# Altium PCB EA08AI测试板.PcbDoc (part 2 of 2)
Units mm, origin at the board's own origin, x right, y up, seen from the top; angles counter-clockwise.
Board outline 148 x 105.5 mm, 2 copper layers (Top Layer, Bottom Layer), stack 1.261 mm thick; 278 components, 217 nets, 924 pads, 454 vias.
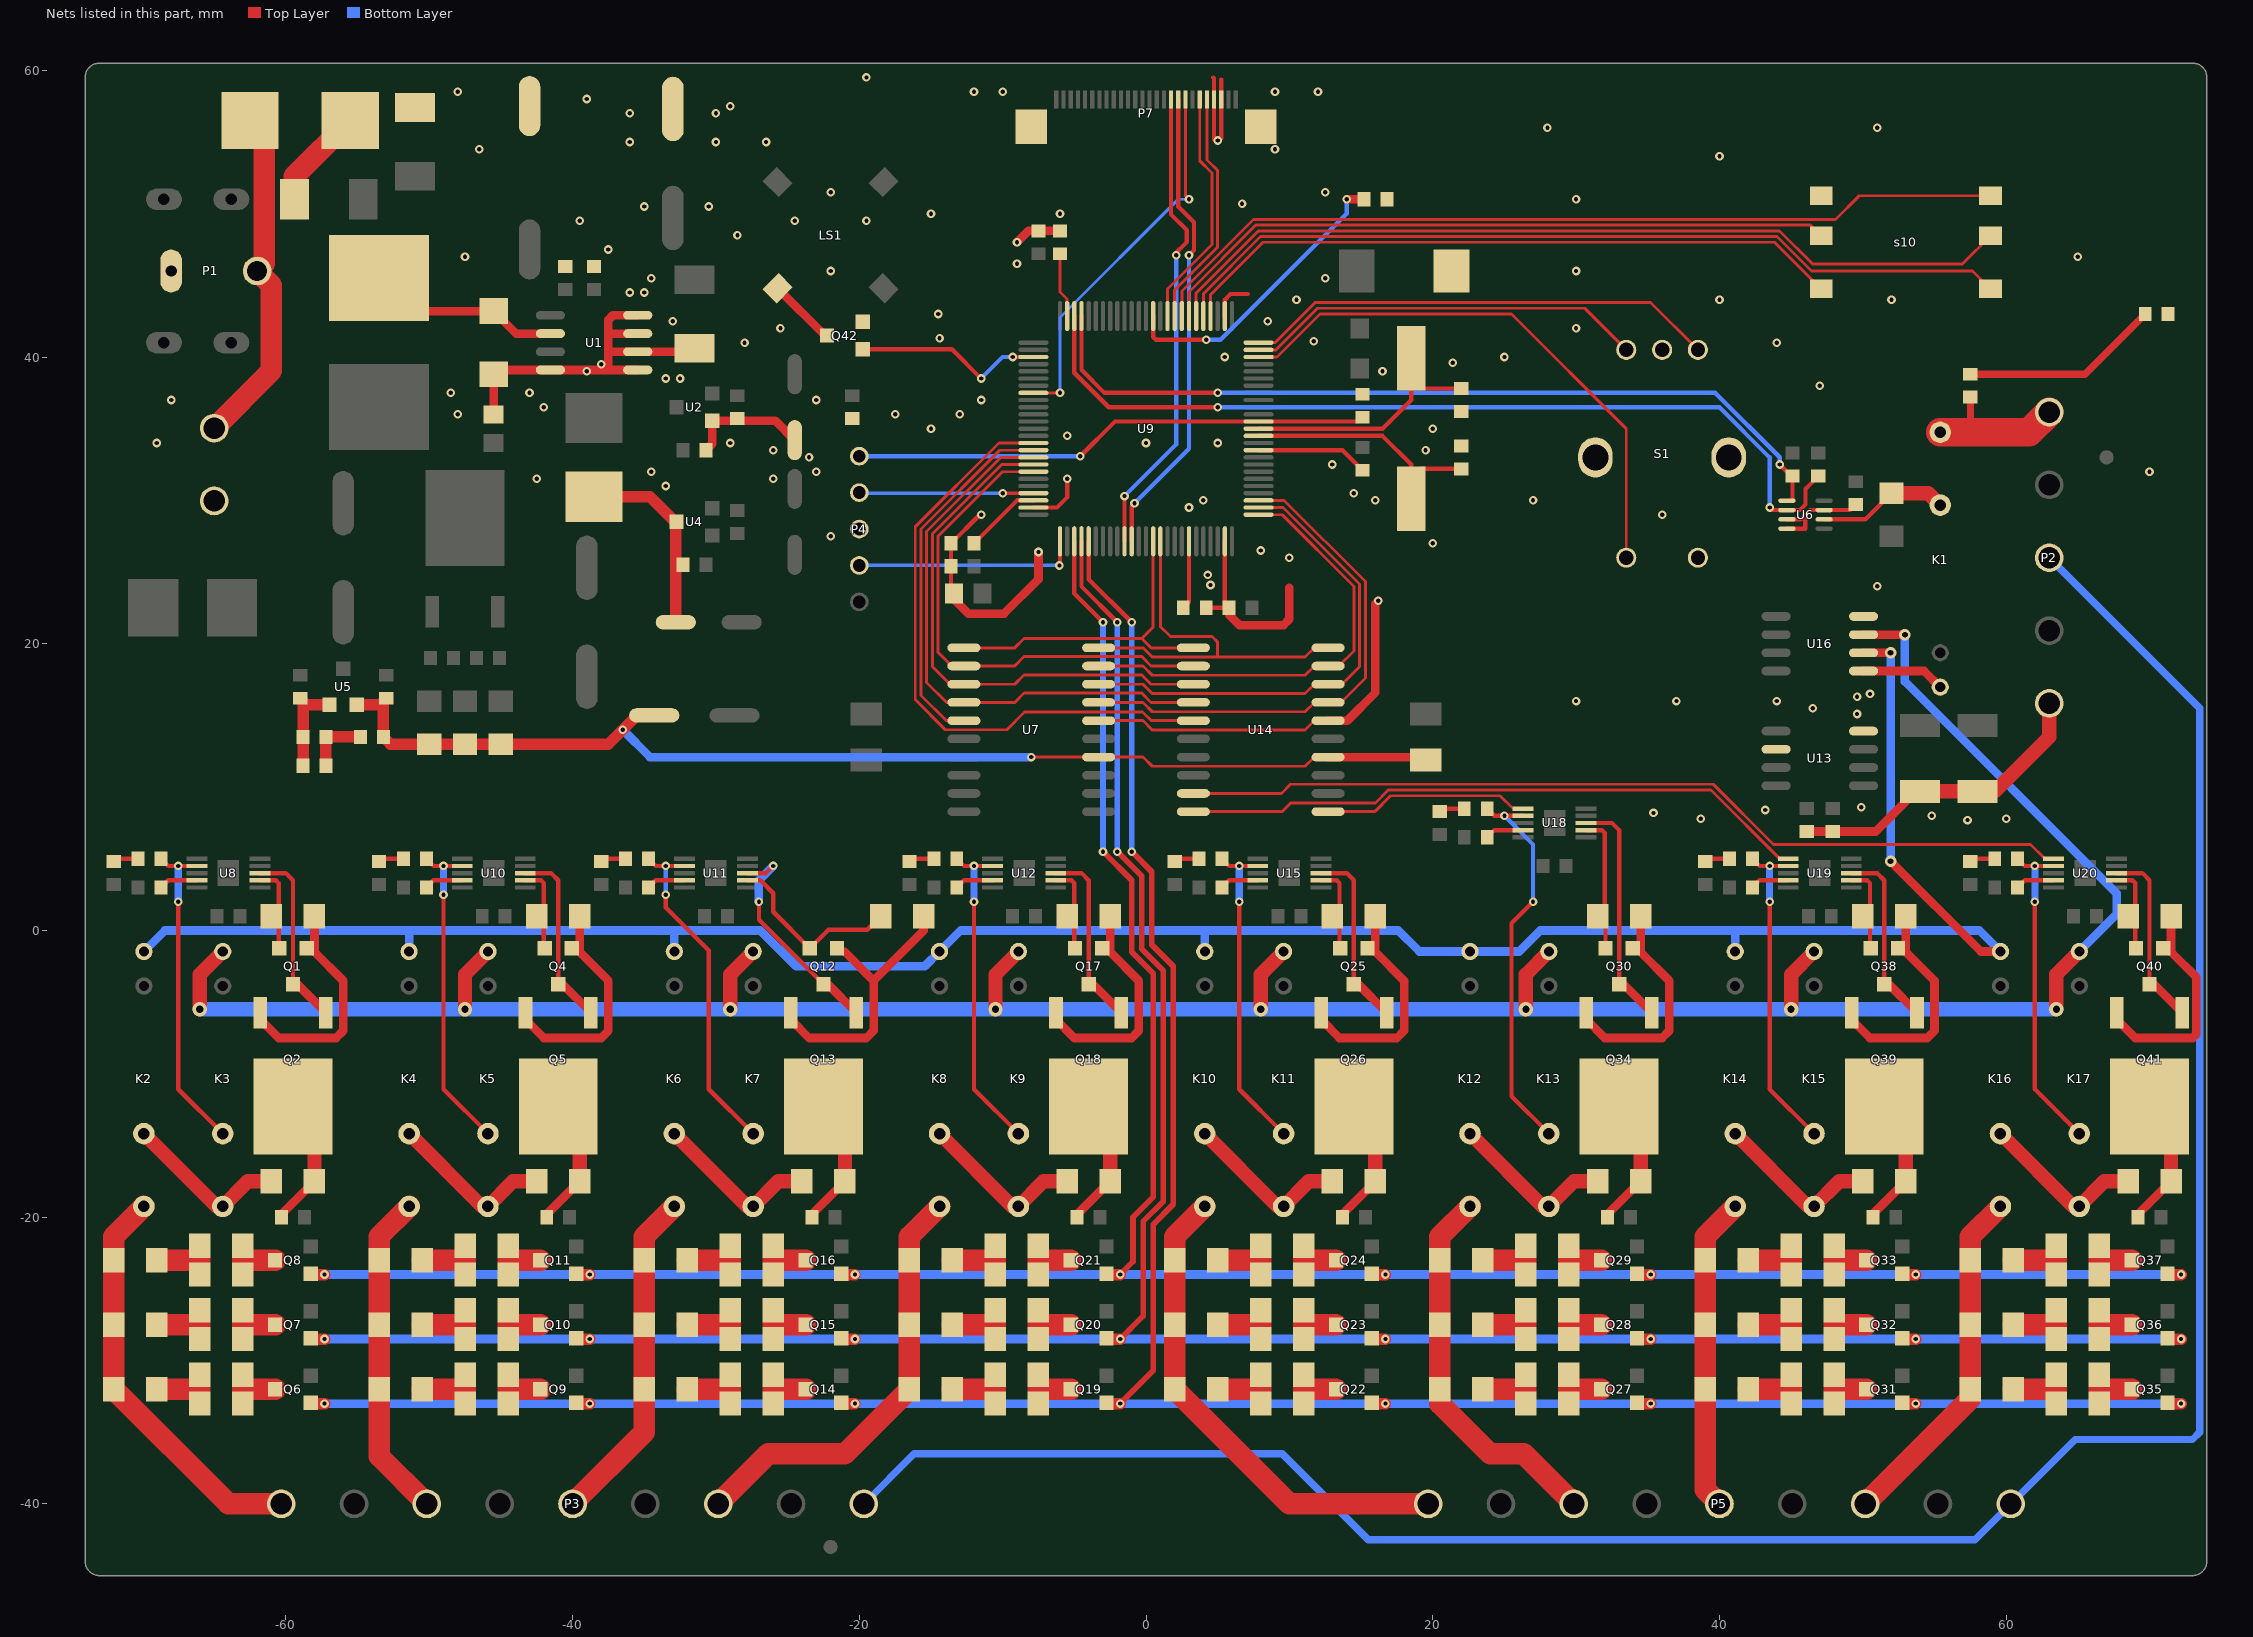
[diagram p2: the nets of this part, all layers, seen from the top]

## Via types
v1: diameter 0.6, hole 0.3, Top Layer to Bottom Layer, tented both sides, 438 vias
v2: diameter 1, hole 0.5, Top Layer to Bottom Layer, tented both sides, 9 vias
v3: diameter 0.8, hole 0.4, Top Layer to Bottom Layer, tented both sides, 7 vias

## Nets (pads, with @x,y where several pads share a name; then routed paths per layer and width w, separated by ;. In a path a pad name is that pad's centre, name@x,y a point inside that pad or via, vN(x,y) a via of type N, cw(c..) or ccw(c..) an arc to the next point about the centre after c; other vN are vias at no path point) (continued)
DA6: U14.1 U18.6 | length 14.4
  Top Layer w0.2: U14.1@12.7,8.285 15.951,8.285 17.066,9.4 24.7,9.4 25.6,8.5 U18.6@26.3,8.5
DA7: U14.20 U19.6 | length 44.1
  Top Layer w0.2: U14.20@3.3,8.285 9.485,8.285 10.1,8.9 16,8.9 16.9,9.8 39.4,9.8 44.2,5 U19.6@44.8,5
DA8: U14.19 U20.6 | length 62.4
  Top Layer w0.2: U14.19@3.3,9.555 9.441,9.555 10.086,10.2 39.566,10.2 43.766,6 61.7,6 62.7,5 U20.6@63.3,5
DB0: U7.14 U9.67 U14.14 | length 39.8
  Top Layer w0.2: U9.67@-7.854,33 -10.131,33 -15.3,27.831 -15.3,17.303 -13.902,15.905 U7.14@-12.7,15.905 -9.155,15.905 -8.5,16.56 -0.3,16.56 0.355,15.905 U14.14@3.3,15.905
DB1: U7.13 U9.68 U14.13 | length 37.6
  Top Layer w0.2: U9.68@-7.854,32.5 -10.066,32.5 -14.9,27.666 -14.9,18.4 -13.675,17.175 U7.13@-12.7,17.175 -9.155,17.175 -8.5,17.83 -0.3,17.83 0.355,17.175 U14.13@3.3,17.175
DB2: U7.12 U9.69 U14.12 | length 35.3
  Top Layer w0.2: U9.69@-7.854,32 -10,32 -14.5,27.5 -14.5,19.4 -13.545,18.445 U7.12@-12.7,18.445 -9.155,18.445 -8.5,19.1 -0.3,19.1 0.355,18.445 U14.12@3.3,18.445
DB3: U7.11 U9.89 U14.11 | length 24.6
  Top Layer w0.2: U7.11@-13.615,19.715 U7.11@-12.7,19.715 -9.155,19.715 -8.5,20.37 -0.3,20.37 ; U9.89@0.5,27.146 0.5,21.17 -0.3,20.37 ; U14.11@3.3,19.715 0.355,19.715 -0.3,20.37
DB4: U7.10 U9.90 U14.10 | length 28
  Top Layer w0.2: U7.10@-3.3,19.715 -0.211,19.715 0.434,19.07 5,19.07 ; U9.90@1,27.146 1,21.2 1.7,20.5 4.6,20.5 5,20.1 5,19.07 ; U14.10@12.7,19.715 11.745,19.715 11.1,19.07 5,19.07
DB5: U7.9 U9.1 U14.9 | length 32
  Top Layer w0.2: U7.9@-3.3,18.445 -0.211,18.445 0.434,17.8 11.1,17.8 11.745,18.445 U14.9@12.7,18.445 13.445,18.445 14.5,19.5 14.5,24 9.5,29 U9.1@7.854,29
DB6: U7.8 U9.2 U14.8 | length 34.3
  Top Layer w0.2: U7.8@-3.3,17.175 -0.211,17.175 0.434,16.53 11.1,16.53 11.745,17.175 U14.8@12.7,17.175 13.675,17.175 14.9,18.4 14.9,24.166 9.566,29.5 U9.2@7.854,29.5
DB7: U7.7 U9.3 U14.7 | length 36.4
  Top Layer w0.2: U7.7@-3.3,15.905 -0.211,15.905 0.434,15.26 11.1,15.26 11.745,15.905 U14.7@12.7,15.905 13.605,15.905 15.3,17.6 15.3,24.331 9.631,30 U9.3@7.854,30
GND: C1.1 C2.2 C3.1 C4.2 C5.1 C6.2 C7.2 C8.1 C9.1 C10.1 C11.1 C17.1 C18.1 C23.1 C24.1 C26.1 C27.1 C29.1 C45.1 C46.1 C47.1 C48.1 C49.1 D2.1 D3.1 D5.2 D6.1 D7.1 D8.1 P1.2 P2.1 P4.3 P6.2 P7.3 P7.4 P7.27 P7.28 Q42.2 R31.2 R33.2 S1.1 S1.5 S1.6 s10.1 U1.4 U1.5 U1.6 U1.7 U1.8 U2.1 U6.3 U6.7 U6.8 U7.6 U9.10 U9.27 U9.74 U9.99 U13.2 U13.8 U14.6 U16.4 | length 148.3
  Top Layer w0.2: U7.6@-3.3,14.635 -0.211,14.635 0.434,13.99 11.1,13.99 11.745,14.635 U14.6@12.7,14.635
  Top Layer w0.3: C17.1@-13.4,23.5 -13.6,23.7 C48.1@-13.6,25.4 C24.1@-13.6,27 -11.6,29 v1(-11.5,29) ; U9.74@-7.854,29.5 -6.207,29.5 -5.5,30.207 v1(-5.5,31.5) ; R31.2@4.2,22.5 C45.1@5.8,22.5 5.5,22.8 U9.99@5.5,27.146 ; 4.7,59.5 4.75,59.45 P7.4@4.75,57.95 4.75,55.15 5.15,55.15 5.25,55.25 P7.3@5.25,57.95 5.25,59.35 ; U9.27@5.5,42.854 5.5,44 5.9,44.4 7.1,44.4 ; U9.10@7.854,33.5 13.7,33.5 C49.1@15.1,32.1 ; U6.8@44.7,28.025 45.975,28.025 45.975,28.925 45.95,28.95 ; U6.7@44.7,28.675 45.675,28.675 45.95,28.95 ; C47.1@49.5,29.7 49.125,29.325 U6.3@47.3,29.325 46.325,29.325 45.95,28.95
  Top Layer w0.6: C18.1@-45.5,36 D8.1@-45.5,38.8 -45.205,39.095 U1.4@-41.548,39.095 -37.5,39.095 ; -37.435,41.635 U1.7@-35.452,41.635 ; -37.165,40.365 U1.6@-35.452,40.365 -31.735,40.365 D3.1@-31.5,40.6 ; U1.5@-35.452,39.095 -37.5,39.095 ; U1.8@-35.452,42.905 -37.195,42.905 -37.5,42.6 -37.5,39.095 ; C5.1@-30.7,33.5 -30.25,33.95 U2.1@-30.25,35.55 -25.85,35.55 C6.2@-24.5,34.2 ; C17.1@-13.4,23.5 -13.4,23.1 -12.4,22.1 -9.9,22.1 -7.5,24.5 v1(-7.5,26.4) ; v1(-9,48) -8.2,48.8 C10.1@-7.5,48.8 C23.1@-6,48.8 ; C45.1@5.8,22.5 5.8,22 6.5,21.3 9.6,21.3 10,21.7 10,23.9 ; U14.6@12.7,14.635 14.035,14.635 16,16.6 16,22.8 v1(16.2,23) ; C1.1@46.1,6.9 C46.1@47.9,6.9 50.9,6.9 53.7,9.7 D6.1@54,9.7
  Top Layer w1: D6.1@54,9.7 D7.1@58,9.7 59.2,9.7 63,13.5 P2.1@63,15.84
  other v1: 57.3,7.7 38.7,7.8 60,7.8 54.8,8 35.4,8.2 43.2,8.4 49.9,8.6 49.6,15.1 46.5,15.5 30,16 37,16 44,16 49.6,16.3 50.5,16.5 51,24 4.5,24.1 4.3,24.8 10,26 8,26.5 20,27 -22,27.5 36,29 3,29.5 4,30 16,30 27,30 14.5,30.5 -33.5,31 -42.5,31.5 -26,31.5 -34.5,32 -23,32 70,32 13,32.5 -23.5,33 -26,33.5 19.5,33.5 -69,34 -29,34 0,34 5,34 -5.5,34.5 -15,35 20,35 -48,36 -17.5,36 -13,36 -42,36.5 -68,37 -23,37 -11.5,37 -48.5,37.5 -43,37.5 47,38 -33.5,38.5 -32.5,38.5 -39,39 16.5,39 -38,39.5 21.4,39.6 5.5,40 25,40 -28,41 44,41 11.7,41.1 -14.4,41.3 -25.5,42 30,42 -33,42.5 8.5,42.5 -14.5,43 10.5,44 40,44 52,44 -36,44.5 -35,44.5 -34.5,45.5 12.5,45.5 -22,46 30,46 -9,46.5 -47.5,47 65,47 -37.5,47.5 -28.5,48.5 -39.5,49.5 -24.5,49.5 -19.5,49.5 -15,50 -6,50 -35,50.5 -30.5,50.5 6.7,50.7 30,51 -22,51.5 12.5,51.5 40,54 -46.5,54.5 9,54.5 -36,55 -30,55 -26.5,55 5,55.1 28,56 51,56 -36,57 -30,57 -29,57.5 -39,58 -48,58.5 -12,58.5 -10,58.5 9,58.5 12,58.5 -19.5,59.5
NetC16_2: C16.2 C44.1 I1.1 U4.3 | length 13.4
  Top Layer w0.8: I1.1@-38.5,30.25 -34.6,30.25 -32.8,28.45 C44.1@-32.8,21.5
NetC21_1: C21.1 Q2.2 R17.1 | length 9.3
  Top Layer w0.6: C21.1@-60.3,-20 -60.3,-19.8 R17.1@-58,-17.5
  Top Layer w1: Q2.2@-59.5,-12.275 -58,-13.775 R17.1@-58,-17.5
NetC23_2: C23.2 U9.49 | length 4.6
  Top Layer w0.2: C23.2@-6,47.2 -6,44.536 -5.5,44.036 U9.49@-5.5,42.854
NetC24_2: C24.2 U9.73 | length 5.4
  Top Layer w0.3: C24.2@-12,27 -9,30 U9.73@-7.854,30
NetC25_1: C25.1 Q5.2 R32.1 | length 7
  Top Layer w0.6: C25.1@-41.8,-19.8 R32.1@-39.5,-17.5
  Top Layer w1: R32.1@-39.5,-17.5 Q5.2@-39.5,-13.775
NetC26_2: C26.2 U9.12 Y1.2 | length 16.7
  Top Layer w0.3: U9.12@7.854,34.5 16.5,34.5 18.5,32.5 Y1.2@18.5,30.1 ; Y1.2@19.2,32.2 C26.2@22,32.2
NetC27_2: C27.2 U9.13 Y1.1 | length 16.1
  Top Layer w0.3: U9.13@7.854,35 16.5,35 18.5,37 Y1.1@18.5,38.8 ; Y1.1@19.2,37.8 C27.2@22,37.8
NetC30_1: C30.1 Q13.2 R50.1 | length 7
  Top Layer w0.6: C30.1@-23.3,-19.8 R50.1@-21,-17.5
  Top Layer w1: R50.1@-21,-17.5 Q13.2@-21,-13.775
NetC32_1: C32.1 Q18.2 R70.1 | length 7
  Top Layer w0.6: C32.1@-4.8,-19.8 R70.1@-2.5,-17.5
  Top Layer w1: R70.1@-2.5,-17.5 Q18.2@-2.5,-13.775
NetC34_1: C34.1 Q26.2 R87.1 | length 7
  Top Layer w0.6: C34.1@13.7,-19.8 R87.1@16,-17.5
  Top Layer w1: R87.1@16,-17.5 Q26.2@16,-13.775
NetC36_1: C36.1 Q34.2 R107.1 | length 7
  Top Layer w0.6: C36.1@32.2,-19.8 R107.1@34.5,-17.5
  Top Layer w1: R107.1@34.5,-17.5 Q34.2@34.5,-13.775
NetC38_1: C38.1 Q39.2 R121.1 | length 7
  Top Layer w0.6: C38.1@50.7,-19.8 R121.1@53,-17.5
  Top Layer w1: R121.1@53,-17.5 Q39.2@53,-13.775
NetC40_1: C40.1 Q41.2 R126.1 | length 7
  Top Layer w0.6: C40.1@69.2,-19.8 R126.1@71.5,-17.5
  Top Layer w1: R126.1@71.5,-17.5 Q41.2@71.5,-13.775
NetD1_1: D1.1 F1.2 | length 7.1
  Top Layer w1.5: D1.1@-59.4,51 -59.4,52.6 F1.2@-55.5,56.5
NetD5_1: D5.1 R16.2 | length 13.9
  Top Layer w0.5: R16.2@57.5,38.8 65.5,38.8 D5.1@69.7,43
NetD8_2: D8.2 L2.1 U1.2 | length 13.6
  Top Layer w0.6: L2.1@-53.5,45.5 -51.2,43.2 D8.2@-45.5,43.2 -43.935,41.635 U1.2@-41.548,41.635
NetF1_1: F1.1 P1.1 P6.1 | length 24.2
  Top Layer w1.5: P6.1@-65,35.04 -61,39.04 -61,45 P1.1@-62,46 -61.5,46.5 -61.5,55.5 F1.1@-62.5,56.5
NetK1_1: K1.1 U16.1 | length 5.8
  Top Layer w0.6: U16.1@50.048,18.095 54.275,18.095 K1.1@55.4,16.97
NetK1_3: K1.3 R14.1 U6.2 | length 9.2
  Top Layer w0.3: U6.2@47.3,28.675 50.175,28.675 R14.1@52,30.5
  Top Layer w1: R14.1@52,30.5 54.57,30.5 K1.3@55.4,29.67
NetK1_4: K1.4 P2.5 R16.1 | length 10.4
  Top Layer w0.5: 57.5,34.95 R16.1@57.5,37.2
  Top Layer w2: K1.4@55.4,34.75 61.59,34.75 P2.5@63,36.16
NetK2_1: K2.1 K4.1 K6.1 K8.1 K10.1 K12.1 K14.1 K16.1 U16.2 | length 166.3
  Top Layer w0.6: U16.2@50.048,19.365 v3(51.935,19.365) ; v3(51.935,4.835) 58.24,-1.47 K16.1@59.6,-1.47
  Bottom Layer w0.6: K2.1@-69.9,-1.47 -68.43,0 -51.4,0 ; K4.1@-51.4,-1.47 -51.4,0 ; K6.1@-32.9,-1.47 -32.9,-0.1 ; K10.1@4.1,-1.47 4.1,-0.2 ; K14.1@41.1,-1.47 41.1,0 ; v3(51.935,4.835) v3(51.935,19.365) ; K16.1@59.6,-1.47 58.13,0 27.5,0 26.03,-1.47 K12.1@22.6,-1.47 19.07,-1.47 17.6,0 -12.93,0 K8.1@-14.4,-1.47 -15.43,-2.5 -24.4,-2.5 -26.9,0 -51.4,0
NetK2_3: K2.3 K3.4 R17.2 | length 11.7
  Top Layer w1: K2.3@-69.9,-14.17 -64.82,-19.25 K3.4@-64.4,-19.25 -62.65,-17.5 R17.2@-61,-17.5
NetK3_1: K3.1 K5.1 K7.1 K9.1 K11.1 K13.1 K15.1 K17.1 U16.3 | length 199.2
  Top Layer w0.6: U16.3@50.048,20.635 v3(52.935,20.635)
  Top Layer w1: v2(-66,-5.5) -66,-3.07 K3.1@-64.4,-1.47 ; v2(-47.5,-5.5) -47.5,-3.07 K5.1@-45.9,-1.47 ; v2(-29,-5.5) -29,-3.07 K7.1@-27.4,-1.47 ; v2(-10.5,-5.5) -10.5,-3.07 K9.1@-8.9,-1.47 ; v2(8,-5.5) 8,-3.07 K11.1@9.6,-1.47 ; v2(26.5,-5.5) 26.5,-3.07 K13.1@28.1,-1.47 ; v2(45,-5.5) 45,-3.07 K15.1@46.6,-1.47 ; v2(63.5,-5.5) 63.5,-3.07 K17.1@65.1,-1.47
  Bottom Layer w0.6: v3(52.935,20.635) 52.935,17.365 67.7,2.6 67.7,1.13 K17.1@65.1,-1.47
  Bottom Layer w1: v2(-66,-5.5) v2(-47.5,-5.5) v2(-29,-5.5) v2(-10.5,-5.5) v2(8,-5.5) v2(26.5,-5.5) v2(45,-5.5) v2(63.5,-5.5)
NetK3_3: K3.3 R18.1 U8.7 | length 22.7
  Top Layer w0.3: R18.1@-68.7,5 -68.2,4.5 v1(-67.5,4.5) U8.7@-66.2,4.5 ; v1(-67.5,2) -67.5,-11.07 K3.3@-64.4,-14.17
  Bottom Layer w0.5: v1(-67.5,2) v1(-67.5,4.5)
NetK4_3: K4.3 K5.4 R32.2 | length 11.3
  Top Layer w1: K4.3@-51.4,-14.17 K5.4@-46.32,-19.25 ; K5.4@-45.9,-19.25 -44.15,-17.5 R32.2@-42.5,-17.5
NetK5_3: K5.3 R34.1 U10.7 | length 22.7
  Top Layer w0.3: R34.1@-50.2,5 -49.7,4.5 U10.7@-47.7,4.5 ; v1(-49,2.5) -49,-11.07 K5.3@-45.9,-14.17
  Bottom Layer w0.5: v1(-49,2.5) v1(-49,4.5)
NetK6_3: K6.3 K7.4 R50.2 | length 11.3
  Top Layer w1: K6.3@-32.9,-14.17 K7.4@-27.82,-19.25 ; K7.4@-27.4,-19.25 -25.65,-17.5 R50.2@-24,-17.5
NetK7_3: K7.3 R57.1 U11.7 | length 23.9
  Top Layer w0.3: R57.1@-34.7,5 -34.2,4.5 v1(-33.5,4.5) U11.7@-32.2,4.5 ; v1(-33.5,2.5) -33.5,1.6 -30.5,-1.4 -30.5,-11.07 K7.3@-27.4,-14.17
  Bottom Layer w0.3: v1(-33.5,2.5) v1(-33.5,4.5)
NetK8_3: K8.3 K9.4 R70.2 | length 11.3
  Top Layer w1: K8.3@-14.4,-14.17 K9.4@-9.32,-19.25 ; K9.4@-8.9,-19.25 -7.15,-17.5 R70.2@-5.5,-17.5
NetK9_3: K9.3 R71.1 U12.7 | length 22.7
  Top Layer w0.3: R71.1@-13.2,5 -12.7,4.5 U12.7@-10.7,4.5 ; v1(-12,2) -12,-11.07 K9.3@-8.9,-14.17
  Bottom Layer w0.5: v1(-12,2) v1(-12,4.5)
NetK10_3: K10.3 K11.4 R87.2 | length 11.3
  Top Layer w1: K10.3@4.1,-14.17 K11.4@9.18,-19.25 ; K11.4@9.6,-19.25 11.35,-17.5 R87.2@13,-17.5
NetK11_3: K11.3 R94.1 U15.7 | length 22.7
  Top Layer w0.3: R94.1@5.3,5 5.8,4.5 U15.7@7.8,4.5 ; v1(6.5,2) 6.5,-11.07 K11.3@9.6,-14.17
  Bottom Layer w0.5: v1(6.5,2) v1(6.5,4.5)
NetK12_3: K12.3 K13.4 R107.2 | length 11.3
  Top Layer w1: K12.3@22.6,-14.17 K13.4@27.68,-19.25 ; K13.4@28.1,-19.25 29.85,-17.5 R107.2@31.5,-17.5
NetK13_3: K13.3 R111.1 U18.7 | length 27.4
  Top Layer w0.3: R111.1@23.8,8.5 24.3,8 U18.7@26.3,8 ; v1(27,2) 25.5,0.5 25.5,-11.57 K13.3@28.1,-14.17
  Bottom Layer w0.3: v1(25,8) 27,6 v1(27,2)
NetK14_3: K14.3 K15.4 R121.2 | length 11.3
  Top Layer w1: K14.3@41.1,-14.17 K15.4@46.18,-19.25 ; K15.4@46.6,-19.25 48.35,-17.5 R121.2@50,-17.5
NetK15_3: K15.3 R122.1 U19.7 | length 22.7
  Top Layer w0.3: R122.1@42.3,5 42.8,4.5 U19.7@44.8,4.5 ; v1(43.5,2) 43.5,-11.07 K15.3@46.6,-14.17
  Bottom Layer w0.5: v1(43.5,2) v1(43.5,4.5)
NetK16_3: K16.3 K17.4 R126.2 | length 11.3
  Top Layer w1: K16.3@59.6,-14.17 K17.4@64.68,-19.25 ; K17.4@65.1,-19.25 66.85,-17.5 R126.2@68.5,-17.5
NetK17_3: K17.3 R127.1 U20.7 | length 22.7
  Top Layer w0.3: R127.1@60.8,5 61.3,4.5 U20.7@63.3,4.5 ; v1(62,2) 62,-11.07 K17.3@65.1,-14.17
  Bottom Layer w0.5: v1(62,2) v1(62,4.5)
NetLS1_2: LS1.2 Q42.3 | length 4.8
  Top Layer w0.6: LS1.2@-25.7,44.8 -22.4,41.5 Q42.3@-22.25,41.5
NetQ1_1: Q1.1 Q2.3 R15.2 | length 15.8
  Top Layer w0.6: Q2.3@-61.78,-5.725 -61.78,-6.22 -60.5,-7.5 -56.5,-7.5 -56,-7 -56,-3.5 -58,-1.5 R15.2@-58,1
NetQ1_2: Q1.2 R15.1 U8.2 | length 6
  Top Layer w0.3: U8.2@-61.8,3.5 -60.7,3.5 -60.5,3.3 -60.5,-1.2 Q1.2@-60.45,-1.25
NetQ1_3: Q1.3 Q2.1 U8.3 | length 12.9
  Top Layer w0.3: U8.3@-61.8,4 -60,4 -59.5,3.5 Q1.3@-59.5,-3.75
  Top Layer w0.5: Q1.3@-59.5,-3.75 Q1.3@-59.195,-3.75
  Top Layer w0.6: Q1.3@-59.195,-3.75 Q2.1@-57.22,-5.725
NetQ4_1: Q4.1 Q5.3 R21.2 | length 15.3
  Top Layer w0.6: Q5.3@-43.28,-6.22 -42,-7.5 -38,-7.5 -37.5,-7 -37.5,-3.5 -39.5,-1.5 R21.2@-39.5,1
NetQ4_2: Q4.2 R21.1 U10.2 | length 5.9
  Top Layer w0.3: U10.2@-43.3,3.5 -42.2,3.5 -42,3.3 Q4.2@-42,-1.2
NetQ4_3: Q4.3 Q5.1 U10.3 | length 12.6
  Top Layer w0.3: U10.3@-43.3,4 -41.5,4 -41,3.5 Q4.3@-41,-3.75
  Top Layer w0.6: Q4.3@-40.695,-3.75 Q5.1@-38.72,-5.725
NetQ6_3: Q6.3 R25.1 R26.1 | length 2.3
  Top Layer w1.5: -63,-32 Q6.3@-60.75,-32
NetQ7_3: Q7.3 R27.1 R28.1 | length 2.3
  Top Layer w1.5: -63,-27.5 Q7.3@-60.75,-27.5
NetQ8_3: Q8.3 R29.1 R30.1 | length 2.3
  Top Layer w1.5: -63,-23 Q8.3@-60.75,-23
NetQ9_3: Q9.3 R40.1 R41.1 | length 2.3
  Top Layer w1.5: -44.5,-32 Q9.3@-42.25,-32
NetQ10_3: Q10.3 R42.1 R43.1 | length 2.3
  Top Layer w1.5: -44.5,-27.5 Q10.3@-42.25,-27.5
NetQ11_3: Q11.3 R44.1 R45.1 | length 2.3
  Top Layer w1.5: -44.5,-23 Q11.3@-42.25,-23
NetQ12_1: Q12.1 Q13.3 R46.2 | length 18.8
  Top Layer w0.6: Q13.3@-24.78,-6.22 -23.5,-7.5 -19.5,-7.5 -19,-7 -19,-3.5 ; -21,-1.5 -19,-3.5 ; R46.2@-15.5,1 -15.5,0 -19,-3.5
NetQ12_2: Q12.2 R46.1 U11.2 | length 13
  Top Layer w0.3: U11.2@-27.8,3.5 -26.9,3.5 -26,2.6 -26,1.3 Q12.2@-23.45,-1.25 -22.15,0.05 -19.45,0.05 R46.1@-18.5,1
NetQ12_3: Q12.3 Q13.1 U11.3 | length 15.3
  Top Layer w0.3: U11.3@-27.8,4 -26.5,4 v1(-26,4.5) ; v1(-27,2) -27,0.75 Q12.3@-22.5,-3.75
  Top Layer w0.6: Q12.3@-22.195,-3.75 Q13.1@-20.22,-5.725
  Bottom Layer w0.6: v1(-27,2) -27,3.5 v1(-26,4.5)
NetQ14_3: Q14.3 R51.1 R52.1 | length 2.3
  Top Layer w1.5: -26,-32 Q14.3@-23.75,-32
NetQ15_3: Q15.3 R53.1 R54.1 | length 2.3
  Top Layer w1.5: -26,-27.5 Q15.3@-23.75,-27.5
NetQ16_3: Q16.3 R55.1 R56.1 | length 2.3
  Top Layer w1.5: -26,-23 Q16.3@-23.75,-23
NetQ17_1: Q17.1 Q18.3 R63.2 | length 15.3
  Top Layer w0.6: Q18.3@-6.28,-6.22 -5,-7.5 -1,-7.5 -0.5,-7 -0.5,-3.5 -2.5,-1.5 R63.2@-2.5,1
NetQ17_2: Q17.2 R63.1 U12.2 | length 5.9
  Top Layer w0.3: U12.2@-6.3,3.5 -5.2,3.5 -5,3.3 Q17.2@-5,-1.2
NetQ17_3: Q17.3 Q18.1 U12.3 | length 12.6
  Top Layer w0.3: U12.3@-6.3,4 -4.5,4 -4,3.5 Q17.3@-4,-3.75
  Top Layer w0.6: Q17.3@-3.695,-3.75 Q18.1@-1.72,-5.725
NetQ19_3: Q19.3 R64.1 R65.1 | length 2.3
  Top Layer w1.5: -7.5,-32 Q19.3@-5.25,-32
NetQ20_3: Q20.3 R66.1 R67.1 | length 2.3
  Top Layer w1.5: -7.5,-27.5 Q20.3@-5.25,-27.5
NetQ21_3: Q21.3 R68.1 R69.1 | length 2.3
  Top Layer w1.5: -7.5,-23 Q21.3@-5.25,-23
NetQ22_3: Q22.3 R77.1 R78.1 | length 2.3
  Top Layer w1.5: 11,-32 Q22.3@13.25,-32
NetQ23_3: Q23.3 R79.1 R80.1 | length 2.3
  Top Layer w1.5: 11,-27.5 Q23.3@13.25,-27.5
NetQ24_3: Q24.3 R81.1 R82.1 | length 2.3
  Top Layer w1.5: 11,-23 Q24.3@13.25,-23
NetQ25_1: Q25.1 Q26.3 R83.2 | length 15.3
  Top Layer w0.6: Q26.3@12.22,-6.22 13.5,-7.5 17.5,-7.5 18,-7 18,-3.5 16,-1.5 R83.2@16,1
NetQ25_2: Q25.2 R83.1 U15.2 | length 5.9
  Top Layer w0.3: U15.2@12.2,3.5 13.3,3.5 13.5,3.3 Q25.2@13.5,-1.2
NetQ25_3: Q25.3 Q26.1 U15.3 | length 12.6
  Top Layer w0.3: U15.3@12.2,4 14,4 14.5,3.5 Q25.3@14.5,-3.75
  Top Layer w0.6: Q25.3@14.805,-3.75 Q26.1@16.78,-5.725
NetQ27_3: Q27.3 R88.1 R89.1 | length 2.3
  Top Layer w1.5: 29.5,-32 Q27.3@31.75,-32
NetQ28_3: Q28.3 R90.1 R91.1 | length 2.3
  Top Layer w1.5: 29.5,-27.5 Q28.3@31.75,-27.5
NetQ29_3: Q29.3 R92.1 R93.1 | length 2.3
  Top Layer w1.5: 29.5,-23 Q29.3@31.75,-23
NetQ30_1: Q30.1 Q34.3 R100.2 | length 15.3
  Top Layer w0.6: Q34.3@30.72,-6.22 32,-7.5 36,-7.5 36.5,-7 36.5,-3.5 34.5,-1.5 R100.2@34.5,1
NetQ30_2: Q30.2 R100.1 U18.2 | length 9.9
  Top Layer w0.3: U18.2@30.7,7 31.8,7 32,6.8 32,1.5 R100.1@31.5,1 32.05,0.45 Q30.2@32.05,-1.25
NetQ30_3: Q30.3 Q34.1 U18.3 | length 16.1
  Top Layer w0.3: U18.3@30.7,7.5 32.5,7.5 33,7 Q30.3@33,-3.75
  Top Layer w0.6: Q30.3@33.305,-3.75 Q34.1@35.28,-5.725
NetQ31_3: Q31.3 R101.1 R102.1 | length 2.3
  Top Layer w1.5: 48,-32 Q31.3@50.25,-32
NetQ32_3: Q32.3 R103.1 R104.1 | length 2.3
  Top Layer w1.5: 48,-27.5 Q32.3@50.25,-27.5
NetQ33_3: Q33.3 R105.1 R106.1 | length 2.3
  Top Layer w1.5: 48,-23 Q33.3@50.25,-23
NetQ35_3: Q35.3 R113.1 R114.1 | length 2.3
  Top Layer w1.5: 66.5,-32 Q35.3@68.75,-32
NetQ36_3: Q36.3 R115.1 R116.1 | length 2.3
  Top Layer w1.5: 66.5,-27.5 Q36.3@68.75,-27.5
NetQ37_3: Q37.3 R117.1 R118.1 | length 2.3
  Top Layer w1.5: 66.5,-23 Q37.3@68.75,-23
NetQ38_1: Q38.1 Q39.3 R120.2 | length 15.3
  Top Layer w0.6: Q39.3@49.22,-6.22 50.5,-7.5 54.5,-7.5 55,-7 55,-3.5 53,-1.5 R120.2@53,1
NetQ38_2: Q38.2 R120.1 U19.2 | length 5.9
  Top Layer w0.3: U19.2@49.2,3.5 50.3,3.5 50.5,3.3 Q38.2@50.5,-1.2
NetQ38_3: Q38.3 Q39.1 U19.3 | length 12.6
  Top Layer w0.3: U19.3@49.2,4 51,4 51.5,3.5 Q38.3@51.5,-3.75
  Top Layer w0.6: Q38.3@51.805,-3.75 Q39.1@53.78,-5.725
NetQ40_1: Q40.1 Q41.3 R125.2 | length 15.1
  Top Layer w0.6: Q41.3@67.72,-6.22 69,-7.5 73,-7.5 73.255,-7.245 73.255,-3.255 71.5,-1.5 R125.2@71.5,1
NetQ40_2: Q40.2 R125.1 U20.2 | length 5.9
  Top Layer w0.3: U20.2@67.7,3.5 68.8,3.5 69,3.3 Q40.2@69,-1.2
NetQ40_3: Q40.3 Q41.1 U20.3 | length 12.6
  Top Layer w0.3: U20.3@67.7,4 69.5,4 70,3.5 Q40.3@70,-3.75
  Top Layer w0.6: Q40.3@70.305,-3.75 Q41.1@72.28,-5.725
NetR6_1: R6.1 R9.2 R10.2 | length 4.4
  Top Layer w0.8: R9.2@-57.2,11.5 R10.2@-57.2,13.5 R6.1@-54.8,13.5
NetR9_1: R9.1 R10.1 R11.2 U5.1 | length 6.3
  Top Layer w0.8: R9.1@-58.8,11.5 R10.1@-58.8,13.5 R11.2@-58.8,16 ; R11.2@-58.75,15.75 U5.1@-56.95,15.75
NetR18_2: R18.2 R20.1 | length 1.8
  Top Layer w0.3: R20.1@-72,4.8 -71.8,5 R18.2@-70.3,5
NetR19_1: R19.1 U8.9 | length 2.7
  Top Layer w0.3: R19.1@-68.7,3 -68.2,3.5 U8.9@-66.2,3.5
NetR22_1: R22.1 R25.2 R26.2 | length 3
  Top Layer w1.5: R22.1@-69,-32 -66,-32
NetR23_1: R23.1 R27.2 R28.2 | length 3
  Top Layer w1.5: R23.1@-69,-27.5 -66,-27.5
NetR24_1: R24.1 R29.2 R30.2 | length 3
  Top Layer w1.5: R24.1@-69,-23 -66,-23
NetR31_1: R31.1 U9.94 | length 4.8
  Top Layer w0.3: R31.1@2.6,22.5 3,22.9 U9.94@3,27.146
NetR33_1: R33.1 U9.37 | length 20.9
  Top Layer w0.3: U9.37@0.5,42.854 0.5,41.4 0.7,41.2 v1(4.2,41.2)
  Top Layer w0.6: v1(14,51) R33.1@15.2,51
  Bottom Layer w0.3: v1(4.2,41.2) 5.2,41.2 14,50 v1(14,51)
NetR34_2: R34.2 R39.1 | length 1.8
  Top Layer w0.3: R39.1@-53.5,4.8 -53.3,5 R34.2@-51.8,5
NetR35_1: R35.1 U10.9 | length 2.7
  Top Layer w0.3: R35.1@-50.2,3 -49.7,3.5 U10.9@-47.7,3.5
NetR36_1: R36.1 R40.2 R41.2 | length 3
  Top Layer w1.5: R36.1@-50.5,-32 -47.5,-32
NetR37_1: R37.1 R42.2 R43.2 | length 3
  Top Layer w1.5: R37.1@-50.5,-27.5 -47.5,-27.5
NetR38_1: R38.1 R44.2 R45.2 | length 3
  Top Layer w1.5: R38.1@-50.5,-23 -47.5,-23
NetR47_1: R47.1 R51.2 R52.2 | length 3
  Top Layer w1.5: R47.1@-32,-32 -29,-32
NetR48_1: R48.1 R53.2 R54.2 | length 3
  Top Layer w1.5: R48.1@-32,-27.5 -29,-27.5
NetR49_1: R49.1 R55.2 R56.2 | length 3
  Top Layer w1.5: R49.1@-32,-23 -29,-23
NetR57_2: R57.2 R59.1 | length 1.8
  Top Layer w0.3: R59.1@-38,4.8 -37.8,5 R57.2@-36.3,5
NetR58_1: R58.1 U11.9 | length 2.7
  Top Layer w0.3: R58.1@-34.7,3 -34.2,3.5 U11.9@-32.2,3.5
NetR60_1: R60.1 R64.2 R65.2 | length 3
  Top Layer w1.5: R60.1@-13.5,-32 -10.5,-32
NetR61_1: R61.1 R66.2 R67.2 | length 3
  Top Layer w1.5: R61.1@-13.5,-27.5 -10.5,-27.5
NetR62_1: R62.1 R68.2 R69.2 | length 3
  Top Layer w1.5: R62.1@-13.5,-23 -10.5,-23
NetR71_2: R71.2 R76.1 | length 1.8
  Top Layer w0.3: R76.1@-16.5,4.8 -16.3,5 R71.2@-14.8,5
NetR72_1: R72.1 U12.9 | length 2.7
  Top Layer w0.3: R72.1@-13.2,3 -12.7,3.5 U12.9@-10.7,3.5
NetR73_1: R73.1 R77.2 R78.2 | length 3
  Top Layer w1.5: R73.1@5,-32 8,-32
NetR74_1: R74.1 R79.2 R80.2 | length 3
  Top Layer w1.5: R74.1@5,-27.5 8,-27.5
NetR75_1: R75.1 R81.2 R82.2 | length 3
  Top Layer w1.5: R75.1@5,-23 8,-23
NetR84_1: R84.1 R88.2 R89.2 | length 3
  Top Layer w1.5: R84.1@23.5,-32 26.5,-32
NetR85_1: R85.1 R90.2 R91.2 | length 3
  Top Layer w1.5: R85.1@23.5,-27.5 26.5,-27.5
NetR86_1: R86.1 R92.2 R93.2 | length 3
  Top Layer w1.5: R86.1@23.5,-23 26.5,-23
NetR94_2: R94.2 R96.1 | length 1.8
  Top Layer w0.3: R96.1@2,4.8 2.2,5 R94.2@3.7,5
NetR95_1: R95.1 U15.9 | length 2.7
  Top Layer w0.3: R95.1@5.3,3 5.8,3.5 U15.9@7.8,3.5
NetR97_1: R97.1 R101.2 R102.2 | length 3
  Top Layer w1.5: R97.1@42,-32 45,-32
NetR98_1: R98.1 R103.2 R104.2 | length 3
  Top Layer w1.5: R98.1@42,-27.5 45,-27.5
NetR99_1: R99.1 R105.2 R106.2 | length 3
  Top Layer w1.5: R99.1@42,-23 45,-23
NetR108_1: R108.1 R113.2 R114.2 | length 3
  Top Layer w1.5: R108.1@60.5,-32 63.5,-32
NetR109_1: R109.1 R115.2 R116.2 | length 3
  Top Layer w1.5: R109.1@60.5,-27.5 63.5,-27.5
NetR110_1: R110.1 R117.2 R118.2 | length 3
  Top Layer w1.5: R110.1@60.5,-23 63.5,-23
NetR111_2: R111.2 R119.1 | length 1.8
  Top Layer w0.3: R119.1@20.5,8.3 20.7,8.5 R111.2@22.2,8.5
NetR112_1: R112.1 U18.9 | length 2.7
  Top Layer w0.3: R112.1@23.8,6.5 24.3,7 U18.9@26.3,7
NetR122_2: R122.2 R124.1 | length 1.8
  Top Layer w0.3: R124.1@39,4.8 39.2,5 R122.2@40.7,5
NetR123_1: R123.1 U19.9 | length 2.7
  Top Layer w0.3: R123.1@42.3,3 42.8,3.5 U19.9@44.8,3.5
NetR127_2: R127.2 R129.1 | length 1.8
  Top Layer w0.3: R129.1@57.5,4.8 57.7,5 R127.2@59.2,5
NetR128_1: R128.1 U20.9 | length 2.7
  Top Layer w0.3: R128.1@60.8,3 61.3,3.5 U20.9@63.3,3.5
NRST: C29.2 P4.5 U9.14 | length 36.2
  Top Layer w0.3: v1(-4.58,33.08) -2.16,35.5 U9.14@7.854,35.5 14.8,35.5 C29.2@15.1,35.8
  Bottom Layer w0.3: P4.5@-20,33.08 v1(-4.58,33.08)
NTC10K_25℃使能: Q8.1 Q11.1 Q16.1 Q21.1 Q24.1 Q29.1 Q33.1 Q37.1 U9.78 | length 191.6
  Top Layer w0.3: U9.78@-5,27.146 -5,23.5 v1(-3,21.5)
  Top Layer w0.4: v1(-3,5.5) -1,3.5 -1,-1.5 0.5,-3 0.5,-18.6 -0.9,-20 -0.9,-23.1 v1(-1.8,-24)
  Top Layer w0.8: Q8.1@-58.25,-23.95 -58.2,-24 v1(-57.3,-24) ; Q11.1@-39.75,-23.95 -39.7,-24 v1(-38.8,-24) ; Q16.1@-21.25,-23.95 -21.2,-24 v1(-20.3,-24) ; Q21.1@-2.75,-23.95 -2.7,-24 v1(-1.8,-24) ; Q24.1@15.75,-23.95 15.8,-24 v1(16.7,-24) ; Q29.1@34.25,-23.95 34.3,-24 v1(35.2,-24) ; Q33.1@52.75,-23.95 52.8,-24 v1(53.7,-24) ; Q37.1@71.25,-23.95 71.3,-24 v1(72.2,-24)
  Bottom Layer w0.4: v1(-3,5.5) v1(-3,21.5)
  Bottom Layer w0.6: v1(-57.3,-24) v1(-38.8,-24) v1(-20.3,-24) v1(-1.8,-24) v1(16.7,-24) v1(35.2,-24) v1(53.7,-24) v1(72.2,-24)
PE: P2.3 P3.9 P5.9 | length 165.6
  Bottom Layer w0.5: P3.9@-19.68,-40 -16.18,-36.5 9.5,-36.5 15.5,-42.5 57.82,-42.5 P5.9@60.32,-40 64.82,-35.5 73,-35.5 73.5,-35 73.5,15.5 P2.3@63,26
PT100_0℃使能: Q6.1 Q9.1 Q14.1 Q19.1 Q22.1 Q27.1 Q31.1 Q35.1 U9.80 | length 201.4
  Top Layer w0.3: U9.80@-4,27.146 -4,24.5 v1(-1,21.5)
  Top Layer w0.4: v1(-1.8,-33) 0.5,-30.7 0.5,-20.5 1.9,-19.1 1.9,-2.5 0.4,-1 0.4,4.1 v1(-1,5.5)
  Top Layer w0.8: Q6.1@-58.25,-32.95 -58.2,-33 v1(-57.3,-33) ; Q9.1@-39.75,-32.95 -39.7,-33 v1(-38.8,-33) ; Q14.1@-21.25,-32.95 -21.2,-33 v1(-20.3,-33) ; Q19.1@-2.75,-32.95 -2.7,-33 v1(-1.8,-33) ; Q22.1@15.75,-32.95 15.8,-33 v1(16.7,-33) ; Q27.1@34.25,-32.95 34.3,-33 v1(35.2,-33) ; Q31.1@52.75,-32.95 52.8,-33 v1(53.7,-33) ; Q35.1@71.25,-32.95 71.3,-33 v1(72.2,-33)
  Bottom Layer w0.4: v1(-1,5.5) v1(-1,21.5)
  Bottom Layer w0.6: v1(-57.3,-33) v1(-38.8,-33) v1(-20.3,-33) v1(-1.8,-33) v1(16.7,-33) v1(35.2,-33) v1(53.7,-33) v1(72.2,-33)
PT1000_0℃使能: Q7.1 Q10.1 Q15.1 Q20.1 Q23.1 Q28.1 Q32.1 Q36.1 U9.79 | length 196.5
  Top Layer w0.3: U9.79@-4.5,27.146 -4.5,24 v1(-2,21.5)
  Top Layer w0.4: v1(-2,5.5) -0.3,3.8 -0.3,-1.3 1.2,-2.8 1.2,-18.9 -0.2,-20.3 -0.2,-26.9 v1(-1.8,-28.5)
  Top Layer w0.8: Q7.1@-58.25,-28.45 -58.2,-28.5 v1(-57.3,-28.5) ; Q10.1@-39.75,-28.45 -39.7,-28.5 v1(-38.8,-28.5) ; Q15.1@-21.25,-28.45 -21.2,-28.5 v1(-20.3,-28.5) ; Q20.1@-2.75,-28.45 -2.7,-28.5 v1(-1.8,-28.5) ; Q23.1@15.75,-28.45 15.8,-28.5 v1(16.7,-28.5) ; Q28.1@34.25,-28.45 34.3,-28.5 v1(35.2,-28.5) ; Q32.1@52.75,-28.45 52.8,-28.5 v1(53.7,-28.5) ; Q36.1@71.25,-28.45 71.3,-28.5 v1(72.2,-28.5)
  Bottom Layer w0.4: v1(-2,5.5) v1(-2,21.5)
  Bottom Layer w0.6: v1(-57.3,-28.5) v1(-38.8,-28.5) v1(-20.3,-28.5) v1(-1.8,-28.5) v1(16.7,-28.5) v1(35.2,-28.5) v1(53.7,-28.5) v1(72.2,-28.5)
RD: P7.10 U9.85 | length 33.1
  Top Layer w0.3: U9.85@-1.5,27.146 v1(-1.5,30.3) ; P7.10@1.75,57.95 1.75,49.942 2.85,48.842 2.85,48.031 v1@1.969,47.15
  Bottom Layer w0.3: v1(-1.5,30.3) 2.1,33.9 v1(2.1,47.1)
RS: P7.8 U9.58 | length 26.6
  Top Layer w0.2: U9.58@-7.854,37.5 v1(-6,37.5) ; P7.8@2.75,57.95 2.75,51.25 v1(3,51)
  Bottom Layer w0.2: v1(-6,37.5) -6,42.751 2.249,51 v1(3,51)
RST: P7.6 U9.35 | length 16.8
  Top Layer w0.2: U9.35@1.5,42.854 1.5,44.738 4.6,47.838 4.6,52.834 3.75,53.684 P7.6@3.75,57.95 P7.6@3.8,57.9
SCL: R12.2 U6.5 U9.47 | length 58.3
  Top Layer w0.3: U9.47@-4.5,42.854 -4.5,39.107 -2.893,37.5 v1(5,37.5) ; v1(44.2,32.5) 45,31.7 R12.2@45.1,31.7 U6.5@45.1,30.1
  Bottom Layer w0.3: v1(5,37.5) 39.707,37.5 44.2,33.007 v1(44.2,32.5)
SDA: R13.2 U6.6 U9.48 | length 63.5
  Top Layer w0.3: U9.48@-5,42.854 -5,38.9 -2.6,36.5 v1(5,36.5) ; v1(43.5,29.5) 43.675,29.325 U6.6@44.7,29.325 45.618,29.325 46,29.707 46,30.8 R13.2@46.9,31.7
  Bottom Layer w0.3: v1(5,36.5) 40,36.5 43.5,33 v1(43.5,29.5)
SWCLK: P4.2 U9.76 | length 15.7
  Top Layer w0.25: v1(-6.04,25.46) -6,25.5 U9.76@-6,27.146
  Bottom Layer w0.25: P4.2@-20,25.46 v1(-6.04,25.46) v1@-6,25.5
SWDIO: P4.4 U9.72 | length 12.2
  Top Layer w0.25: v1(-10,30.5) U9.72@-7.854,30.5
  Bottom Layer w0.25: P4.4@-20,30.54 -19.96,30.5 v1(-10,30.5)
V-REF: C41.1 C42.2 C51.1 R5.1 R6.2 R7.1 R8.1 U5.2 U7.4 U14.4 | length 81.7
  Top Layer w0.2: v1@-8,12.1 v1(-7.995,12.095) U7.4@-3.3,12.095 -0.211,12.095 0.434,11.45 11.1,11.45 11.745,12.095 U14.4@12.7,12.095
  Top Layer w0.6: U14.4@12.7,12.095 19.305,12.095 C51.1@19.5,11.9
  Top Layer w0.8: U5.2@-55.05,15.75 C42.2@-53.2,15.75 ; C42.2@-53.2,16 C42.2@-53.2,15.75 ; C41.1@-34.3,15 -35.5,15 -37.5,13 R5.1@-45,13 R7.1@-47.5,13 R8.1@-50,13 -52.7,13 R6.2@-53.2,13.5 C42.2@-53.2,15.75
  Bottom Layer w0.6: v1(-36.5,14) -34.595,12.095 v1(-7.995,12.095)
WR: P7.9 U9.86 | length 33.1
  Top Layer w0.3: U9.86@-1,27.146 -1,29.6 v1(-0.8,29.8) ; P7.9@2.25,57.95 2.25,50.5 3.35,49.4 3.35,47.45 v1(3,47.1)
  Bottom Layer w0.3: v1(-0.8,29.8) 3,33.6 v1(3,47.1)
WR1: U7.15 U9.66 | length 26.4
  Top Layer w0.2: U7.15@-11.8,14.69 -11.8,14.635 U7.15@-12.7,14.635 -13.935,14.635 -15.7,16.4 -15.7,27.997 -10.197,33.5 U9.66@-7.854,33.5
WR2: U9.65 U14.15 | length 43.8
  Top Layer w0.2: U9.65@-7.854,34 -10.263,34 -16.1,28.163 -16.1,16.1 -14,14 -9.7,14 -8.465,15.235 -0.235,15.235 0.365,14.635 U14.15@3.3,14.635
五向开关-上: s10.6 U9.33 | length 60.9
  Top Layer w0.2: U9.33@2.5,42.854 2.5,44.606 7.494,49.6 48.1,49.6 49.75,51.25 s10.6@58.9,51.25
五向开关-下: s10.4 U9.30 | length 59.6
  Top Layer w0.2: U9.30@4,42.854 4,44.409 7.991,48.4 44.016,48.4 46.416,46 57.65,46 s10.4@58.9,44.75
五向开关-中: s10.3 U9.29 | length 47
  Top Layer w0.2: U9.29@4.5,42.854 4.5,44.343 8.157,48 43.85,48 s10.3@47.1,44.75
五向开关-右: s10.5 U9.31 | length 60.6
  Top Layer w0.2: U9.31@3.5,42.854 3.5,44.475 7.825,48.8 44.181,48.8 46.481,46.5 56.95,46.5 s10.5@58.9,48.45
五向开关-左: s10.2 U9.32 | length 48
  Top Layer w0.2: U9.32@3,42.854 3,44.541 7.659,49.2 46.35,49.2 s10.2@47.1,48.45
编码器-按键: S1.4 U9.23 | length 39.2
  Top Layer w0.2: U9.23@7.854,40 9.131,40 12.131,43 25.5,43 33.5,35 S1.4@33.5,26
编码器A: S1.2 U9.25 | length 33.2
  Top Layer w0.2: U9.25@7.854,41 9,41 11.8,43.8 35.2,43.8 S1.2@38.5,40.5
编码器B: S1.3 U9.24 | length 28
  Top Layer w0.2: U9.24@7.854,40.5 9.066,40.5 11.966,43.4 30.6,43.4 S1.3@33.5,40.5
背光使能: P7.5 U9.34 | length 16.6
  Top Layer w0.2: U9.34@2,42.854 2,44.672 5,47.672 5,53 4.25,53.75 P7.5@4.25,57.95
蜂鸣器: Q42.1 U9.53 | length 13.5
  Top Layer w0.3: Q42.1@-19.75,40.55 -13.55,40.55 v1(-11.5,38.5) ; v1@-9.4,40 U9.53@-7.854,40
  Bottom Layer w0.3: v1(-11.5,38.5) -10,40 v1(-9.3,40)
通道1: K2.4 P3.1 R22.2 R23.2 R24.2 | length 28.6
  Top Layer w1.5: K2.4@-69.9,-19.25 -72,-21.35 R22.2@-72,-32 -64,-40 P3.1@-60.32,-40
通道2: K4.4 P3.3 R36.2 R37.2 R38.2 | length 23
  Top Layer w1.5: K4.4@-51.4,-19.25 -53.5,-21.35 R36.2@-53.5,-32 -53.5,-36.66 P3.3@-50.16,-40
通道3: K6.4 P3.5 R47.2 R48.2 R49.2 | length 23.7
  Top Layer w1.5: P3.5@-40,-40 -35,-35 R47.2@-35,-32 -35,-21.35 K6.4@-32.9,-19.25
通道4: K8.4 P3.7 R60.2 R61.2 R62.2 | length 30.3
  Top Layer w1.5: P3.7@-29.84,-40 -26.34,-36.5 -21,-36.5 R60.2@-16.5,-32 -16.5,-21.35 K8.4@-14.4,-19.25
通道5: K10.4 P5.1 R73.2 R74.2 R75.2 | length 34.6
  Top Layer w1.5: K10.4@4.1,-19.25 2,-21.35 R73.2@2,-32 10,-40 P5.1@19.68,-40
通道6: K12.4 P5.3 R84.2 R85.2 R86.2 | length 26.9
  Top Layer w1.5: K12.4@22.6,-19.25 20.5,-21.35 R84.2@20.5,-32 20.5,-33 24,-36.5 26.34,-36.5 P5.3@29.84,-40
通道7: K14.4 P5.5 R97.2 R98.2 R99.2 | length 22
  Top Layer w1.5: P5.5@40,-40 39,-39 R97.2@39,-32 39,-21.35 K14.4@41.1,-19.25
通道8: K16.4 P5.7 R108.2 R109.2 R110.2 | length 24.7
  Top Layer w1.5: P5.7@50.16,-40 57.5,-32.66 R108.2@57.5,-32 57.5,-21.35 K16.4@59.6,-19.25
pads on no net: LS1.3 LS1.4 N1.1 N2.1 P1.3 U8.4 U8.5 U8.8 U9.4 U9.5 U9.15 U9.16 U9.17 U9.18 U9.26 U9.36 U9.51 U9.52 U9.54 U9.70 U9.71 U9.77 U9.83 U9.84 U9.87 U9.93 U9.95 U9.96 U9.97 U9.98 U10.4 U10.5 U10.8 U11.4 U11.5 U11.8 U12.4 U12.5 U12.8 U15.4 U15.5 U15.8 U18.4 U18.5 U18.8 U19.4 U19.5 U19.8 U20.4 U20.5 U20.8

## Polygon pours and split planes (outlines as drawn)
AGND on Top Layer "Mechanical 15-No Net" (solid, remove dead copper, pour order 0): -74,26 -63,26 -58,31 -57,32 -54,32 -45,32 -42,29 -40,27 -36,27 -26,27 -21,22 -18,22 15,22 24,13 31,6 74,6 74,-45 -74,-45
GND on Top Layer "Mechanical 15-No Net" (solid, remove dead copper, pour order 18): -74,27 -63,27 -57,33 -46,33 -45,33 -41,29 -40,28 -34,28 -26,28 -22,24 -21,23 10,23 15,23 19,19 31,7 74,7 74,60.5 -74,60.5
AGND on Bottom Layer "Mechanical 15-No Net" (solid, remove dead copper, pour order 2): -74,26 -63,26 -58,31 -57,32 -54,32 -45,32 -42,29 -40,27 -36,27 -26,27 -21,22 -18,22 15,22 24,13 31,6 74,6 74,-45 -74,-45
GND on Bottom Layer "Mechanical 15-No Net" (solid, remove dead copper, pour order 16): -74,27 -63,27 -57,33 -46,33 -45,33 -41,29 -40,28 -34,28 -26,28 -22,24 -21,23 10,23 15,23 19,19 31,7 74,7 74,60.5 -74,60.5

## Keep-outs
Keep-Out Layer:
  circle w0.1: c-23,2.5 r1.05
  circle w0.1: c23,2.5 r1.05
  circle w0.1: c23,57.5 r1.05
  circle w0.1: c-23,57.5 r1.05
  circle w0.1: c70,-41 r1.6
  circle w0.1: c-70,-41 r1.6
  circle w0.1: c-70,56.5 r1.6
  circle w0.1: c70,56.5 r1.6
  circle w0.1: c0,-41 r1.6
  circle w0.1: c-70,9 r1.6
  circle w0.1: c70,9 r1.6
  circle w0.1: c-16.5,56.5 r1.6
  circle w0.1: c16.5,56.5 r1.6
  lines w0.1: -74,-44 ccw(c-73,-44) -73,-45 73,-45 ccw(c73,-44) 74,-44 74,59.5 ccw(c73,59.5) 73,60.5 -73,60.5 ccw(c-73,59.5) -74,59.5 -74,-44

## Other copper
Top Layer:
  rectangle: -73.2,25.5 -70.9,33.1
  pour cut-out: -24.7,2.5 ccw(c-23,2.5) -23,0.8 ccw(c-23,2.5) -21.3,2.5 ccw(c-23,2.5) -23,4.2 ccw(c-23,2.5)
  pour cut-out: 21.3,2.5 ccw(c23,2.5) 23,0.8 ccw(c23,2.5) 24.7,2.5 ccw(c23,2.5) 23,4.2 ccw(c23,2.5)
  pour cut-out: 21.3,57.5 ccw(c23,57.5) 23,55.8 ccw(c23,57.5) 24.7,57.5 ccw(c23,57.5) 23,59.2 ccw(c23,57.5)
  pour cut-out: -24.7,57.5 ccw(c-23,57.5) -23,55.8 ccw(c-23,57.5) -21.3,57.5 ccw(c-23,57.5) -23,59.2 ccw(c-23,57.5)
  pour cut-out: 70,-44.25 cw(c70,-41) 66.75,-41 cw(c70,-41) 70,-37.75 cw(c70,-41) 73.25,-41 cw(c70,-41)
  pour cut-out: -70,-44.25 cw(c-70,-41) -73.25,-41 cw(c-70,-41) -70,-37.75 cw(c-70,-41) -66.75,-41 cw(c-70,-41)
  pour cut-out: -70,53.25 cw(c-70,56.5) -73.25,56.5 cw(c-70,56.5) -70,59.75 cw(c-70,56.5) -66.75,56.5 cw(c-70,56.5)
  pour cut-out: 70,53.25 cw(c70,56.5) 66.75,56.5 cw(c70,56.5) 70,59.75 cw(c70,56.5) 73.25,56.5 cw(c70,56.5)
  pour cut-out: 0,-44.25 cw(c0,-41) -3.25,-41 cw(c0,-41) 0,-37.75 cw(c0,-41) 3.25,-41 cw(c0,-41)
  pour cut-out: -70,5.75 cw(c-70,9) -73.25,9 cw(c-70,9) -70,12.25 cw(c-70,9) -66.75,9 cw(c-70,9)
  pour cut-out: 70,5.75 ccw(c70,9) 73.25,9 ccw(c70,9) 70,12.25 ccw(c70,9) 66.75,9 ccw(c70,9)
  pour cut-out: -16.5,53.25 cw(c-16.5,56.5) -19.75,56.5 cw(c-16.5,56.5) -16.5,59.75 cw(c-16.5,56.5) -13.25,56.5 cw(c-16.5,56.5)
  pour cut-out: 16.5,53.25 cw(c16.5,56.5) 13.25,56.5 cw(c16.5,56.5) 16.5,59.75 cw(c16.5,56.5) 19.75,56.5 cw(c16.5,56.5)
Bottom Layer:
  pour cut-out: -26,2.5 ccw(c-23,2.5) -23,-0.5 ccw(c-23,2.5) -20,2.5 ccw(c-23,2.5) -23,5.5 ccw(c-23,2.5)
  pour cut-out: 20,2.5 ccw(c23,2.5) 23,-0.5 ccw(c23,2.5) 26,2.5 ccw(c23,2.5) 23,5.5 ccw(c23,2.5)
  pour cut-out: 20,57.5 ccw(c23,57.5) 23,54.5 ccw(c23,57.5) 26,57.5 ccw(c23,57.5) 23,60.5 ccw(c23,57.5)
  pour cut-out: -26,57.5 ccw(c-23,57.5) -23,54.5 ccw(c-23,57.5) -20,57.5 ccw(c-23,57.5) -23,60.5 ccw(c-23,57.5)
  pour cut-out: 70,-44.25 cw(c70,-41) 66.75,-41 cw(c70,-41) 70,-37.75 cw(c70,-41) 73.25,-41 cw(c70,-41)
  pour cut-out: -70,-44.25 cw(c-70,-41) -73.25,-41 cw(c-70,-41) -70,-37.75 cw(c-70,-41) -66.75,-41 cw(c-70,-41)
  pour cut-out: -70,53.25 cw(c-70,56.5) -73.25,56.5 cw(c-70,56.5) -70,59.75 cw(c-70,56.5) -66.75,56.5 cw(c-70,56.5)
  pour cut-out: 70,53.25 cw(c70,56.5) 66.75,56.5 cw(c70,56.5) 70,59.75 cw(c70,56.5) 73.25,56.5 cw(c70,56.5)
  pour cut-out: 0,-44.25 cw(c0,-41) -3.25,-41 cw(c0,-41) 0,-37.75 cw(c0,-41) 3.25,-41 cw(c0,-41)
  pour cut-out: -70,5.75 cw(c-70,9) -73.25,9 cw(c-70,9) -70,12.25 cw(c-70,9) -66.75,9 cw(c-70,9)
  pour cut-out: 70,5.75 ccw(c70,9) 73.25,9 ccw(c70,9) 70,12.25 ccw(c70,9) 66.75,9 ccw(c70,9)
  pour cut-out: -16.5,53.25 cw(c-16.5,56.5) -19.75,56.5 cw(c-16.5,56.5) -16.5,59.75 cw(c-16.5,56.5) -13.25,56.5 cw(c-16.5,56.5)
  pour cut-out: 16.5,53.25 cw(c16.5,56.5) 13.25,56.5 cw(c16.5,56.5) 16.5,59.75 cw(c16.5,56.5) 19.75,56.5 cw(c16.5,56.5)

## Silkscreen, mask and mechanical layers (free items; w line width, h text height)
Top Overlay:
  drawing of 1136 lines, arcs and shapes, not listed
Bottom Overlay:
  drawing of 7948 lines, arcs and shapes, not listed
  text "AO1" at -61.1,-44.7 h2 r270
  text "GND" at -56.02,-44.7 h2 r270
  text "AO2" at -50.94,-44.7 h2 r270
  text "GND" at -45.86,-44.7 h2 r270
  text "AO3" at -40.78,-44.7 h2 r270
  text "GND" at -35.7,-44.7 h2 r270
  text "AO4" at -30.62,-44.7 h2 r270
  text "GND" at -25.54,-44.7 h2 r270
  text "PE" at -20.46,-44.7 h2 r270
  text "AO5" at 18.9,-44.7 h2 r270
  text "GND" at 23.98,-44.7 h2 r270
  text "AO6" at 29.06,-44.7 h2 r270
  text "GND" at 34.14,-44.7 h2 r270
  text "AO7" at 39.22,-44.7 h2 r270
  text "GND" at 44.3,-44.7 h2 r270
  text "AO8" at 49.38,-44.7 h2 r270
  text "GND" at 54.46,-44.7 h2 r270
  text "PE" at 59.54,-44.7 h2 r270
Top Solder:
  drawing of 774 lines, arcs and shapes, not listed
  text "邵宁鹏" at -71.5,-9.6 h1.8 r90
  text "20180321" at -15.9,-43.8 h3
Mechanical 15:
  lines w0.1: 0,4.5 0,33.5 ; 24.1,9 24.1,23.5 27,23.5 27,60.5 -27,60.5 -27,-0.5 27,-0.5 27,9 ; 24.6,8.5 27.5,8.5
  lines w0.2: -91.5,-148 -3.5,-148 ; -91.5,-142 -3.5,-142 ; -91.5,-136 -3.5,-136 ; -91.5,-130 -3.5,-130 ; -91.5,-124 -3.5,-124 ; -91.5,-118 -3.5,-118 ; -91.5,-112 -3.5,-112 ; -69.5,-154 -69.5,-106 -69.5,-100 ; -91.5,-106 -91.5,-154 -3.5,-154 -3.5,-106 ; -91.5,-106 -3.5,-106 ; -91.5,-106 -91.5,-100 -3.5,-100 -3.5,-106
  text "公司" at -90.5,-105 h5
  text "杭州久天科技有限公司" at -66.5,-105 h5
  text "工程" at -90.5,-111 h5
  text "设计" at -90.5,-117 h5
  text "邵宁鹏" at -66.5,-117 h5
  text "日期" at -90.5,-123 h5
  text "板厚" at -90.5,-129 h5
  text "1.6mm" at -66.5,-129 h5
  text "阻焊油" at -90.5,-135 h5
  text "绿色" at -66.5,-135 h5
  text "丝印" at -90.5,-141 h5
  text "白色" at -66.5,-141 h5
  text "板材" at -90.5,-147 h5
  text "FR-4" at -66.5,-147 h5
  text "其他" at -90.5,-153 h5
  text "有铅喷锡，过孔盖油" at -66.5,-153 h5

## Dimensions
-74,-45 to 74,-45 on Mechanical 15
74,-45 to 74,60.5 on Mechanical 15